# Altium PCB SVEC.pcbdoc (part 12 of 18) (continued)
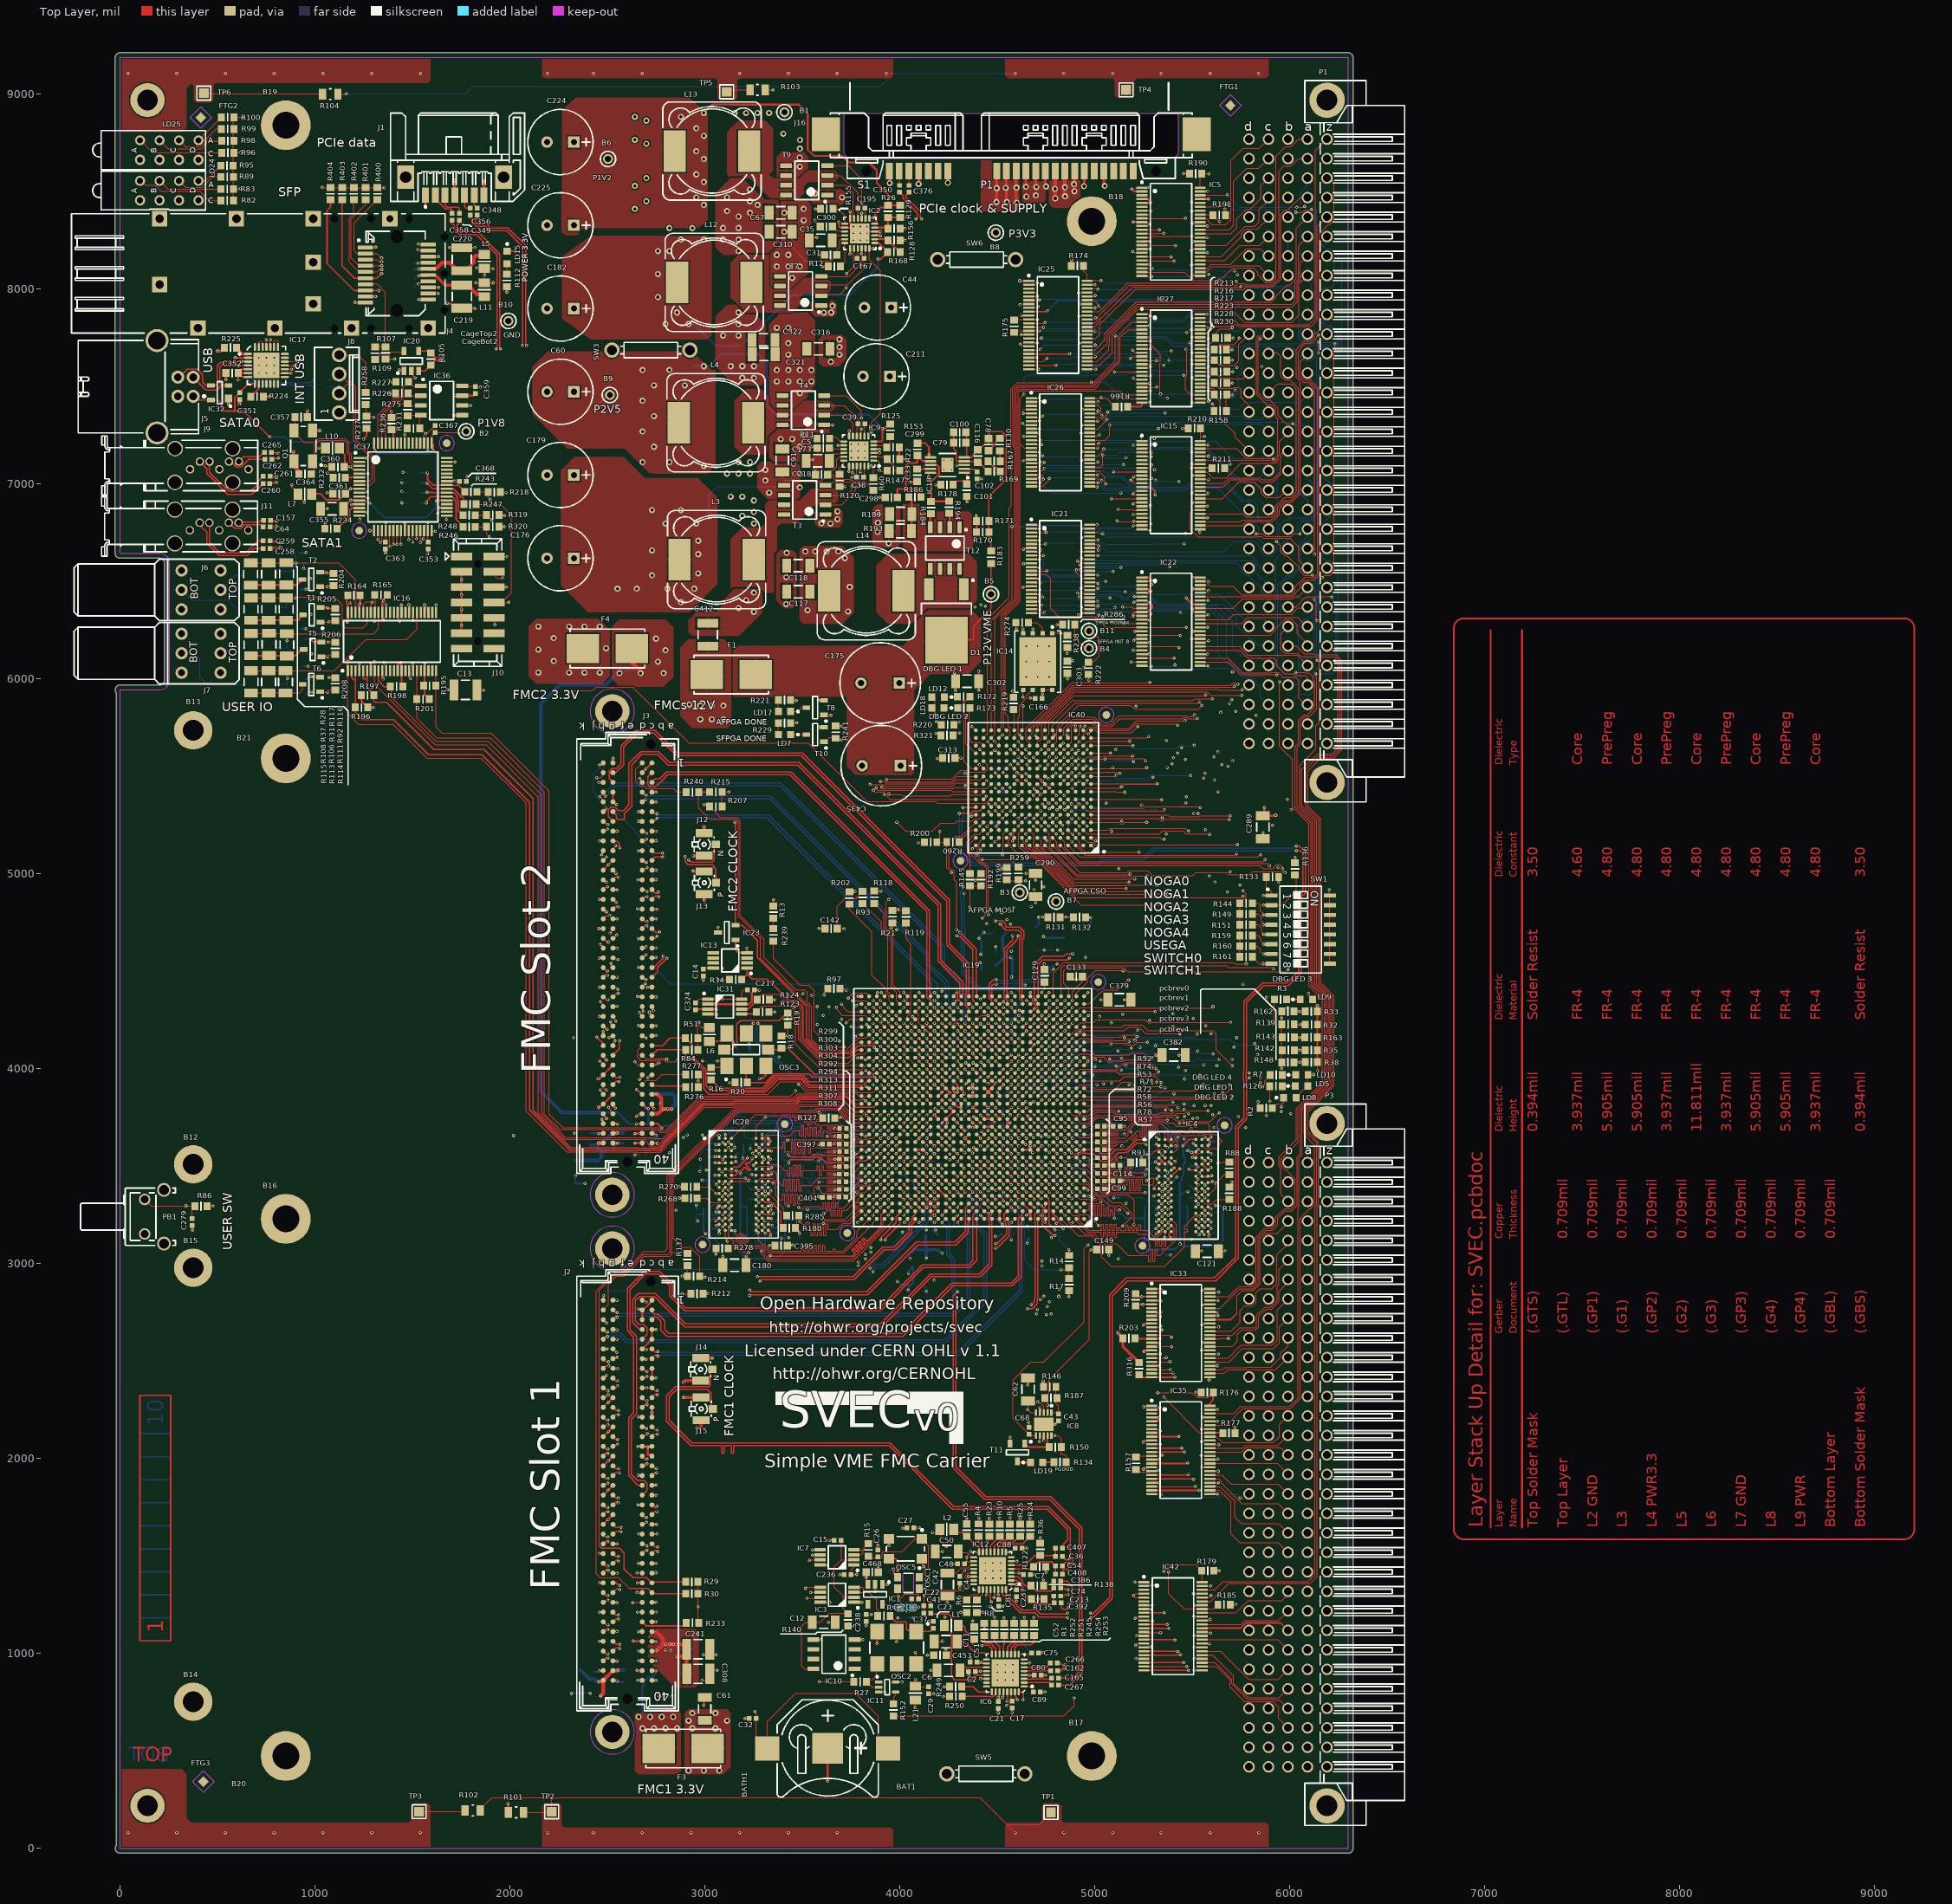
[diagram p0: Top Layer view]
## Nets (pads, with @x,y where several pads share a name; then routed paths per layer and width w, separated by ;. In a path a pad name is that pad's centre, name@x,y a point inside that pad or via, vN(x,y) a via of type N, cw(c..) or ccw(c..) an arc to the next point about the centre after c; other vN are vias at no path point) (continued)
  Top Layer w10: v1(605.69,7535.64) 605.69,7568.14 C352.1@606.18,7568.64 ; IC17.7@656.2,7548.58 626.24,7548.58 C352.1@606.55,7568.27 ; IC17.6@656.2,7568.27 C352.1@606.55,7568.27 ; IC17.5@656.2,7587.96 625.5,7587.96 C352.1@606.18,7568.64 ; C352.1@606.18,7568.64 C352.1@606.55,7568.27
  Top Layer w15: v1(498.69,7680.64) 499.69,7681.64 516.69,7681.64 R225.1@534.69,7699.64 ; C352.1@606.18,7568.64 C352.1@611.55,7569.27 ; R224.2@734.18,7447.64 v1(767.69,7447.64) ; J16.P1@4495.4,8603.66 4495.4,8440.92 v2@4495.69,8440.64 ; J16.P2@4545.4,8603.66 4545.4,8518.88 4545.4,8441.92 v2@4545.69,8441.64 ; v2@4594.69,8440.64 4595.4,8441.36 J16.P3@4595.4,8603.66 ; v1(4856.55,5713.51) 4861.72,5708.34 IC40.R4@4861.72,5696.41 ; v1(5118.55,2645.51) 5143.06,2621 R203.2@5143.06,2616.51 5143.06,2575.45 R316.2@5226.38,2492.13
  L3 w4: v1(4692.55,5711.51) 4693.55,5711.51 v1@4696.55,5708.51
  Bottom Layer w5: D2.2@941.83,6515.1 976.96,6515.1 v1(977.55,6514.51) ; D3.2@944.83,6331.1 975.96,6331.1 v1(977.55,6329.51) ; D4.2@948.83,6128.1 982.15,6128.1 v1(982.55,6128.51) ; D5.2@954.69,5924.64 966.15,5936.1 979.96,5936.1 v1(982.55,5933.51) ; C320.2@1170.84,6368.51 1170.84,6384.79 v1(1177.55,6391.51) ; C314.1@1275.27,6045.51 1284.55,6054.79 v1(1284.55,6079.51) ; v1(1354.55,6083.51) 1355.55,6082.51 C307.1@1355.55,6058.22 ; C306.1@1357.55,6360.22 1357.55,6374.51 v1(1365.55,6382.51) ; v1(1431.55,7586.51) 1451.55,7566.51 C315.2@1454.84,7566.51 ; v1(1433.55,6295.51) C202.2@1433.55,6322.79 ; C297.2@1493.55,6058.22 1493.55,6074.51 v1(1501.55,6082.51) ; C354.1@1568.55,7191.79 1578.55,7181.79 v1(1578.55,7170.51) ; C186.1@1606.27,6344.51 1620.55,6358.79 v1(1620.55,6378.51) ; v1(2629.55,1260.51) 2630.55,1259.51 C431.2@2657.06,1259.51 ; v1(2640.55,4034.51) 2659.82,4034.51 2673.06,4021.27 C76.2@2673.06,4018.51 ; v1@3545.55,4376.51 C380.2@3576.61,4376.51 3606.55,4376.51 v1@3607.55,4377.51 ; v1(3699.55,4253.51) 3702.05,4256 C143.2@3702.05,4282.51 ; C131.2@3791.55,3841.01 3818.05,3841.01 v1(3823.55,3835.51) ; v1(3825.55,4312.32) 3829.69,4308.18 C199.2@3829.69,4284.36 ; C171.2@3835.55,4161.79 3855.27,4161.79 3861.55,4155.51 3860.55,4154.51 v1@3860.55,4147.51 ; v1(4064.43,4267.41) 4070.2,4267.41 C221.2@4084.69,4252.92 ; C190.2@4078.55,3347.22 4079.11,3347.22 4093.82,3332.51 v1@4099.55,3332.51 ; v1@4138.55,3837.51 4155.55,3820.51 C8.2@4157.84,3820.51 ; v1@4296.55,3961.51 4296.55,3959.51 4291.19,3954.14 4305.82,3939.51 C156.2@4311.27,3939.51 ; C311.2@4306.55,5453.01 4335.05,5453.01 v1(4335.55,5452.51) ; C170.2@4389.27,3938.51 4389.27,3941.22 4406.04,3957.99 v1(4412.92,3957.99) ; C222.2@4395.21,3666.65 4407.02,3678.46 v1(4416.86,3678.46) ; v1(4408.96,5243.65) 4420.57,5243.65 4444.42,5267.51 C232.2@4445.84,5267.51 ; v1(4408.96,5637.36) 4429.55,5616.77 C343.2@4429.55,5595.22 ; C312.2@4470.06,5551.51 4470.06,5549.27 4488.55,5530.77 v1(4488.55,5517.51) ; v1(4487.7,5164.91) C330.2@4507.55,5184.79 ; C333.2@4510.55,5671.22 4510.55,5698.51 v1(4525.55,5713.51) ; v1(4526.55,5361.51) C339.2@4526.55,5384.79 ; v1(4614.55,8042.51) 4626.82,8042.51 4636.82,8032.51 C331.1@4637.84,8032.51 ; v1@4616.55,4270.51 4628.84,4270.51 C9.2@4643.55,4255.79 ; v1(4616.55,7918.51) 4619.55,7915.51 C516.2@4640.55,7915.51 ; v1(4618.55,7716.51) C517.1@4642.55,7716.51 ; C158.2@4627.27,3742.51 4648.01,3721.76 v1(4649.14,3721.77) ; v1(4633.55,6664.51) C227.2@4661.55,6664.51 ; v1(4649.14,3524.92) 4651.05,3526.82 4651.05,3527.01 4649.69,3528.37 C189.2@4649.69,3547.92 ; v1(4649.55,5168.51) 4662.55,5181.51 C323.2@4687.84,5181.51 ; v1(4651.55,5558.51) 4665.55,5544.51 C216.2@4665.55,5536.22 ; v1(4652.69,3190.64) 4662.55,3180.77 C155.2@4662.55,3163.22 ; C198.2@4678.27,3858.51 4679.55,3858.51 4688.52,3867.47 v1(4688.51,3879.25) ; C464.1@4685.27,7311.51 4704.55,7311.51 4716.55,7323.51 v1(4716.55,7324.51) ; C154.2@4691.27,6466.51 4706.55,6466.51 v1(4718.55,6454.51) ; C338.1@4694.55,7114.51 4718.55,7114.51 v1(4719.55,7113.51) ; C191.2@4704.27,4095.51 4724.23,4115.47 v1(4727.88,4115.47) ; C208.2@4704.55,5343.79 4721.55,5326.79 v1(4721.55,5322.51) ; C197.2@4708.55,3547.79 4712.54,3547.79 4727.89,3532.44 v1(4727.88,3524.92) ; C345.2@4741.27,5611.51 4741.27,5615.33 v1(4763.3,5637.36) ; C342.2@4775.27,5533.51 4777.55,5533.51 v1(4802.67,5558.62) ; v1(4802.66,5283.02) 4807.36,5283.02 C346.2@4822.84,5298.51 ; C233.2@4844.27,5735.51 4844.27,5733.06 4856.55,5720.77 v1(4856.55,5713.51) ; C340.2@4861.55,5205.79 4861.55,5184.77 v1(4881.41,5164.91) ; v1(4880.55,5358.51) 4882.84,5360.79 C317.2@4882.84,5381.51 ; C172.2@4916.55,4248.22 4916.55,4264.77 v1(4924.74,4272.95) 4930.11,4272.95 4942.05,4261.01 4942.05,4253.51 C145.2@4959.06,4236.51 ; v1(4924.74,3957.99) 4930.59,3952.13 5021.68,3952.13 C130.2@5023.06,3953.51 ; v1(4924.74,4115.47) 4925.77,4116.51 C144.2@4962.06,4116.51 ; C377.2@4949.55,4605.45 4950.55,4604.45 v1(4950.55,4570.51) ; v1(4960.15,5637.36) 4962.28,5635.23 4962.28,5624.78 4967.06,5620 C304.2@4990.55,5620 ; C513.1@4978.55,7720.51 4994.55,7720.51 v1(5002.55,7712.51) ; C329.2@4979.27,7970.51 4997.55,7970.51 v1(5002.55,7965.51) ; C521.1@4982.55,7855.51 4985.55,7852.51 v1(5003.55,7852.51) ; C294.1@4988.27,7114.51 5009.82,7114.51 v1@5016.19,7108.14 ; C522.2@4988.55,7253.51 v1(5021.55,7253.51) ; C501.1@4989.27,6465.51 5005.55,6465.51 5013.55,6457.51 5015.55,6459.51 v1(5015.55,6463.51) ; C226.2@4991.27,6722.51 4993.82,6722.51 5003.82,6712.51 v1(5014.55,6712.51) ; v1(5193.55,7686.51) 5193.55,7683.51 C437.2@5218.55,7683.51 ; v1(5193.55,8193.51) 5197.55,8197.51 C295.2@5222.84,8197.51 ; v1(5194.55,7544.51) C512.2@5212.55,7544.51 ; v1(5199.53,6392.76) 5199.53,6393.64 5206.42,6393.64 5207.55,6392.51 C185.1@5223.84,6392.51 ; v1(5203.55,1366.51) 5212.55,1357.51 C257.2@5230.84,1357.51 ; C327.2@5242.55,8405.79 5279.27,8405.79 v1(5286.55,8398.51) ; C457.2@5246.55,7096.51 v1(5291.55,7096.51) ; C336.1@5250.27,8512.51 5271.55,8512.51 v1(5279.55,8520.51) ; v1(5250.55,2265.51) 5253.55,2262.51 C253.1@5272.84,2262.51 ; C500.2@5254.27,6328.51 5278.55,6328.51 5283.55,6323.51 5286.55,6326.51 v1(5286.55,6333.51) ; C507.1@5254.27,6895.51 5271.55,6895.51 5284.55,6882.51 v1(5284.55,6889.51) ; C328.1@5255.27,8334.51 5256.27,8333.51 v1(5282.55,8333.51) ; C519.1@5256.27,6195.51 5270.55,6195.51 v1(5280.55,6185.51) ; C506.2@5256.27,7036.51 5282.55,7036.51 v1(5290.55,7028.51) v1@5293.82,7025.24 ; C251.2@5267.27,1042.51 5283.55,1042.51 v1(5291.55,1034.51) ; C252.2@5269.27,1178.51 5284.55,1178.51 v1(5295.55,1167.51) ; C287.1@5292.55,2760.79 5328.27,2760.79 v1(5338.55,2750.51) ; C246.2@5307.27,2084.51 5322.55,2084.51 v1(5334.55,2072.51) ; C250.2@5308.27,1944.51 5324.55,1944.51 v1(5329.55,1939.51) ; C248.1@5308.27,2543.51 5327.55,2543.51 v1(5334.55,2536.51) ; C247.1@5309.27,2683.51 5312.27,2680.51 v1(5337.55,2680.51) ; v1(5493.55,7789.51) 5502.55,7798.51 C337.2@5519.84,7798.51 ; v1@5496.55,7548.51 C164.1@5522.84,7548.51 ; v1(5498.55,6952.51) 5522.55,6952.51 5523.55,6951.51 C319.1@5522.55,6951.51 ; v1(5500.55,8073.51) 5504.55,8077.51 C296.1@5523.55,8077.51 ; v1(5509.55,1030.51) 5538.27,1030.51 C127.1@5547.55,1021.22 ; C335.2@5533.55,8501.22 5534.27,8500.51 v1(5578.55,8500.51) ; v1(5538.55,6751.51) 5541.55,6751.51 5542.55,6752.51 C436.1@5542.55,6780.79 ; C293.2@5543.55,6080.79 5565.27,6080.79 v1(5579.55,6066.51) ; v1(5544.55,2016.51) 5544.55,2011.51 5551.55,2004.51 C244.2@5569.84,2004.51 ; C318.2@5552.27,8197.51 5566.55,8197.51 v1(5578.55,8185.51) ; C292.2@5554.27,6194.51 5555.27,6195.51 v1(5582.55,6195.51) ; C240.1@5554.27,6334.51 5574.55,6334.51 v1(5580.55,6328.51) ; C332.2@5555.27,8331.51 5569.55,8331.51 v1(5578.55,8322.51) ; C184.2@5558.27,6513.51 5576.6,6513.51 5581.58,6508.53 v1(5581.55,6496.51) ; C326.1@5565.55,7149.51 5565.55,7145.77 5568.82,7142.51 v1@5578.55,7142.51 ; C465.2@5568.27,1099.51 5587.55,1099.51 v1(5592.55,1104.51) ; C520.2@5568.27,1180.51 5574.27,1174.51 v1(5591.55,1174.51) ; C125.1@5569.27,1297.51 v1(5595.55,1297.51) ; C249.1@5584.55,2431.79 5584.55,2403.51 v1(5585.55,2402.51) ; C245.2@5590.55,2249.22 5591.84,2250.51 v1(5628.55,2250.51) ; C132.1@5593.55,1829.79 5616.27,1829.79 v1(5628.55,1817.51) ; C447.1@5606.27,2082.51 5628.55,2082.51 5634.55,2076.51 v1(5634.55,2071.51) ; C153.1@5607.27,2546.51 5621.55,2546.51 v1(5632.55,2535.51) ; C254.2@5607.27,2685.51 5623.55,2685.51 v1(5634.55,2674.51) ; C264.1@5609.27,2861.51 5627.55,2861.51 5635.55,2853.51 v1(5635.55,2852.51)
  other v1: 5550.69,2789.64 4097.96,3328.07 4649.14,3328.07 4137.33,3603.66 4683.69,3646.64 4137.33,3721.77 4922.69,3773.64 4137.33,3839.88 4806.62,3839.88 4767.25,3879.25 3940.48,3957.99 4294.81,3957.99 4019.22,4076.1 3861.74,4154.84 4609.77,4272.95 3543.69,4374.64 3610.69,4378.64 3468.69,5888.64 1864.69,5942.64 4805.69,6277.64 1361.69,6801.64 1577.69,6801.64 944.69,6906.64 1979.69,6955.64 5581.69,7142.64 1384.69,7466.64
  other v2: 2915.75,399.02 2994.49,399.02 3073.23,399.02 2935.44,615.55 3053.55,615.55 2915.75,654.92 3112.6,654.92 2935.44,694.29 3053.55,694.29 2145.44,6031.88 2302.92,6031.88 2381.66,6031.88 2460.4,6031.88 2224.18,6090.94 2145.44,6149.99 2492.52,6156.89 2224.18,6209.05 2145.44,6268.1 2302.92,6268.1 2381.66,6268.1 2460.4,6268.1 4599.15,8442.88 4495.15,8445.88 4548.15,8445.88 4496.15,8516.88 4543.15,8518.88 4597.87,8519.88
P3V3_CLEAN: C2.2 C3.2 C4.2 C7.2 C10.2 C17.2 C19.2 C21.2 C29.2 C75.2 C80.1 C81.2 C88.1 C89.2 C236.1 C237.2 C238.1 C453.2 C468.2 IC1.1 IC1.3 IC3.1 IC6.1 IC6.4 IC6.9 IC6.20 IC6.27 IC6.30 IC7.1 IC12.1 IC12.4 IC12.9 IC12.20 IC12.27 IC12.30 L1.2 L2.2 L21.1 OSC2.2 OSC2.6 R140.2 | length 1520.5
  Top Layer w4.75: IC7.1@3763.17,1454.62 3763.17,1441.12 3749.27,1427.22 C236.1@3749.27,1404 3750.77,1405.51 v1(3777.55,1405.51) ; C468.2@3826.06,1417 3826.06,1389 v1(3826.55,1388.51) 3835.15,1379.91 IC1.3@3835.15,1354.18 ; IC1.1@3909.96,1354.18 3935.23,1354.18 v1(3935.55,1354.51) ; v1@4550.69,732.64 4550.69,733.64 4572.27,755.22 C17.2@4574.55,755.22 4570.08,759.69 IC6.30@4570.08,803.05
  Top Layer w5: R140.2@3733.55,1140.51 3766.55,1140.51 v1(3767.55,1141.51) ; IC3.1@3764.17,1262.62 3803.44,1262.62 v1(3803.55,1262.51) ; C238.1@3827.55,1200.72 3853.34,1200.72 v1(3853.55,1200.51) ; v1(3982.55,1059.51) 3983.55,1060.51 OSC2.2@3983.55,1112.68 ; v1(3988.55,1182.51) v1@3989.05,1183 ; v1(4077.55,1005.51) 4083.55,999.51 OSC2.6@4083.55,947.32 ; v1(4079.55,867.51) 4078.55,866.51 L21.1@4078.55,832.44 4082.27,828.72 C29.2@4146.55,828.72 ; v1(4140.05,991) C453.2@4174.06,991 ; v1@4171.55,1620.51 4172.06,1620 4202.12,1620 4210.55,1611.57 4210.55,1573.51 4234.55,1549.51 v1(4237.55,1549.51) ; L1.2@4228.12,1143 4228.12,1184.07 v1(4230.55,1186.51) ; C4.2@4307.55,1396.22 4307.55,1398.55 v1@4331.55,1422.55 ; v1(4330.55,1423.51) 4331.55,1424.51 4333.51,1424.51 4339.3,1430.3 4354.3,1430.3 4357.84,1433.84 IC12.20@4378.1,1433.84 ; C2.2@4387.27,907.51 4411.71,907.51 v1(4413.55,909.35) IC6.20@4444.1,909.35 ; v1(4445.03,1299.51) IC12.27@4445.03,1327.55 ; v1(4503.55,774.51) 4505.55,776.51 v1@4511.03,776.51 ; IC12.30@4504.08,1327.55 v1(4504.08,1299.51) 4504.08,1280.19 C81.2@4507.55,1276.72 ; IC6.27@4511.03,803.05 v1@4511.03,776.51 ; C21.2@4511.55,758.22 4511.03,758.75 v1@4511.03,776.51 ; IC12.9@4543.45,1520.46 v1(4562.55,1520.46) 4571.79,1520.46 C88.1@4590.84,1539.51 ; IC12.4@4571.01,1414.16 v1(4611.55,1414.16) 4625.18,1414.16 C7.2@4633.84,1405.51 ; v1(4597.55,1354.51) 4596.96,1355.1 IC12.1@4571.01,1355.1 4571.01,1337.05 4582.34,1325.72 C237.2@4598.55,1325.72 ; IC6.9@4609.45,995.96 v1(4639.55,995.96) 4663.01,995.96 C75.2@4671.05,1004 ; IC6.1@4637.01,830.61 4678.45,830.61 v1(4680.55,828.51) 4684.84,824.22 C89.2@4684.84,802.51 ; IC6.4@4637.01,889.66 v1(4665.55,889.66) 4688.68,889.66 C80.1@4688.84,889.51
  Bottom Layer w4.75: v1(3935.55,1354.51) 3940,1358.95 C3.2@3940,1382.28 ; v1(3988.55,1182.51) 3989.05,1183 C19.2@4010.84,1183 ; C10.2@4442,1276.72 4442,1296.48 v1(4445.03,1299.51)
  other v1: 4546.69,732.64 4167.69,1620.64
P3V3_FMC1: C56.2 C65.2 C70.2 C239.2 F3.2 J2.c39 J2.d36 J2.d38 J2.d40 | length 455.3
  Top Layer w10: v1(2630.55,1064.51) 2632.8,1062.26 J2.d36@2678.05,1062.26 ; v1(2656.55,862.51) 2656.8,862.26 J2.d40@2678.05,862.26 ; v1(2657.55,961.51) 2658.3,962.26 J2.d38@2678.05,962.26 ; J2.c39@2728.05,912.26 2728.8,911.51 v1(2748.55,911.51)
  Bottom Layer w10: v1(2630.55,1064.51) 2631.55,1063.51 C70.2@2658.06,1063.51 ; v1(2657.55,961.51) 2679.06,961.51 C65.2@2685.55,968 ; v2(2659.85,674.61) 2678.5,693.26 C56.2@2678.5,780.51 2678.5,829.45 2687.84,838.79 C239.2@2687.84,855.51 2687.84,857.21 2707.34,876.71 2726.76,876.71 2748.55,898.51 v1(2748.55,911.51)
  other v2: 2679.53,615.55 2738.59,615.55 2797.64,615.55 2856.7,615.55 2718.9,674.61 2777.96,674.61 2837.01,674.61
P3V3_FMC2: C63.2 C69.2 C73.2 C255.2 F4.2 J3.c39 J3.d36 J3.d38 J3.d40 | length 3907.6
  Top Layer w10: v1(2640.16,3617.52) 2641.14,3618.51 J3.d40@2678.05,3618.51 ; v1(2650,3715.95) 2652.56,3718.51 J3.d38@2678.05,3718.51 ; J3.d36@2678.05,3818.51 2701.87,3794.69 v1(2709.06,3794.69) ; J3.c39@2728.05,3668.51 2729.84,3666.72 2738.57,3666.72 v1(2748.42,3656.88)
  Top Layer w20: F4.2@2625.05,6155.51 2625.05,6083.42 2659.85,6048.62
  Bottom Layer w10: 2462.99,3775 2551.58,3775 2610.63,3715.95 v1(2650,3715.95) 2709.06,3715.95 ; v1(2640.16,3617.52) 2667.72,3617.52 C69.2@2669.69,3615.55 ; C73.2@2679.55,3823 2680.74,3823 v1(2709.06,3794.69) 2709.06,3715.95 ; C255.2@2697.25,3558.47 2697.25,3587.99 C69.2@2669.69,3615.55 ; C63.2@2807.48,3647.05 2797.64,3637.21 2758.27,3637.21 ; C69.2@2669.69,3615.55 2691.34,3637.21 2758.27,3637.21 ; 2709.06,3715.95 2748.42,3676.59 v1(2748.42,3656.88) 2758.27,3647.02 2758.27,3637.21
  Bottom Layer w20: 2462.99,3775 2266.14,3775 2157.88,3883.27 2157.88,5871.46 2256.3,5969.88 2492.52,5969.88 2571.26,6048.62 2659.85,6048.62
  other v2: 2561.42,6028.94 2669.69,6028.94 2787.8,6028.94 2758.27,6087.99 2797.64,6147.05 2748.43,6206.1
P5V_STDBY_VME: P1.b31
P5V_VME: B1.1 C31.2 C44.1 C67.2 C71.2 C91.2 C117.2 C118.2 C211.1 C218.2 C309.2 C310.2 C316.2 C321.2 C322.2 IC2.17 IC9.17 IC18.10 J16.P7 J16.P8 J16.P9 L14.1 P1.a32 P1.b32 P1.c32 P3.b1 P3.b13 P3.b32 R60.2 R178.2 T3.5 T3.6 T4.5 T4.6 T7.5 T7.6 T9.5 T9.6 | length 1567.3
  Top Layer w5: C91.2@3396.55,7061.45 3396.55,7032.51 3410.55,7018.51 3445.55,7018.51 3450.55,7013.51 3595.05,7013.51 C218.2@3629.05,7047.51 ; C310.2@3449.55,8272.51 3448.55,8272.51 3447.55,8273.51 3447.55,8213.67 3516.72,8144.51 3645.49,8144.51 C31.2@3675.59,8174.61 3675.59,8199.55 3690.55,8214.51 3690.55,8248.51 3697.4,8255.35 IC2.17@3717.15,8255.35 ; IC9.17@3711.78,7138.98 3691.03,7138.98 3675.55,7123.51 3675.55,7089.19 3656.85,7070.48 3647.53,7070.48 3629.05,7052 C218.2@3629.05,7047.51 ; R60.2@3863.55,6968.01 3818.06,7013.51 3764.09,7013.51 3757.46,7020.13 3748.19,7020.13 3744.53,7023.79 3667.76,7023.79 3660.69,7030.86 3660.69,7041.64 3654.82,7047.51 C218.2@3629.05,7047.51 ; v1(4147.55,7037.51) 4149.1,7039.05 IC18.10@4149.1,7056.14 ; v1(4183.55,6995.51) R178.2@4210.06,6995.51
  Top Layer w20: v2@4795.4,8460.64 J16.P7@4795.4,8603.66 ; v2@4845.4,8474.64 J16.P8@4845.4,8603.66 ; v2@4895.4,8495.64 J16.P9@4895.4,8603.66
  other v2: 3733.95,6345.51 3525.99,6352.51 3742.52,6471.51 3717.55,6619.49 3514.55,6653.24 3565.36,6653.51 3624.41,6653.51 3683.47,6653.51 3329.14,6954.14 3486.62,6982.51 3309.55,7017.51 3486.62,7052.56 3309.45,7072.25 3486.62,7465.95 3368.51,7525 3427.56,7525 3486.62,7525 3545.67,7525 3368.51,7584.06 3427.56,7584.06 3486.62,7584.06 3545.67,7584.06 3427.56,7662.8 3427.56,7721.85 3368.51,7800.59 3427.56,7800.59 3447.25,8056.5 3368.51,8115.55 3427.56,8115.55 3486.62,8115.55 3368.51,8174.61 3427.56,8174.61 3407.88,8292.72 3506.3,8351.77 3407.88,8391.14 3506.3,8410.83 4796.69,8464.64 4846.69,8475.64 4894.69,8500.64 4794.69,8513.64 4845.69,8521.64 4892.69,8537.64 3486.62,8627.36 3485.69,8673.64 3486.69,8719.64 3487.69,8764.64 3401.69,8796.64
P12V: B5.1 C175.1 C435.1 D1.3 F1.1 R183.2 | length 567.6
  Top Layer w6: D1.3@4238.55,6198.08 4242.11,6201.64 4376.69,6201.64 4378.69,6203.64 4378.69,6270.64 4466.55,6358.51 B5.1@4466.55,6433.51 4467.55,6434.51 R183.2@4467.55,6592.01
P12V_FMC: C241.1 C256.2 C263.2 C301.1 C308.1 C412.1 F1.2 J2.c35 J2.c37 J3.c35 J3.c37 | length 963.1
  Top Layer w10: J2.c37@2728.05,1012.26 2746.3,1012.26 v1(2748.55,1014.51) 2749.55,1015.51 v1@2753.55,1015.51
  Top Layer w20: J2.c35@2728.05,1112.26 2748.8,1112.26 2785.55,1075.51 2785.55,1047.51 ; J3.c37@2728.05,3768.51 2758.55,3768.51 2775.55,3785.51 ; J3.c35@2728.05,3868.51 2755.82,3868.51 2775.55,3848.77 2775.55,3785.51 ; v1@2753.55,1015.51 2785.55,1047.51 ; 2775.69,3785.64 2775.55,3785.51 ; v1(2828.69,3793.64) 2784.69,3793.64 2775.55,3784.51 2775.55,3785.51 ; v1(2857.81,985.55) 2883.59,985.55 C241.1@2906.5,1008.45 ; C308.1@2904.69,890.51 2904.69,962.02 2906.5,963.83 C241.1@2906.5,1008.45 ; 2785.55,1047.51 v1(2798.69,1047.51) 2880.5,1047.51 C241.1@2906.5,1021.51 C241.1@2906.5,1008.45
  Bottom Layer w10: C256.2@2718.27,1014.51 v1(2748.55,1014.51)
  Bottom Layer w20: C263.2@2717.27,3871.51 2831.82,3871.51 2847.55,3855.77 C301.1@2847.55,3826.56 2847.55,3812.51 v1(2828.69,3793.64)
  other v1: 2821.55,1015.07 2798.75,1018.51 2819.55,1046.51 2838.69,1046.51 2786.69,3793.64 2807.69,3793.64 2772,3819 2751.55,3871
  other v2: 2975.92,5792.51 3034.97,5792.51 3094.03,5792.51 2975.92,5862.51 3034.97,5862.51 3094.03,5862.51 2919.55,5867.44
P12V_VME: P1.c31
PCBREV0: IC19.AD20 R33.2 R162.1 | length 2455.5
  Top Layer w6: v1@4176.96,4153.91 4195.72,4135.15 IC19.AD20@4196.39,4135.15 v1@4177.29,4154.25
  Top Layer w8: R162.1@6021.05,4293.51 v1(6049.55,4293.51) R33.2@6078.06,4293.51
  L3 w4: v1@4174.55,4157.51 4171.55,4154.51 v1@4177.55,4154.51
  L6 w4: v1(4176.7,4154.84) 4159.21,4172.33 4159.21,4263.1 4159.55,4263.45 4159.55,4420.58 4234.35,4495.38 5133.06,4495.38 5139.81,4488.63 5151.3,4488.63 5159.17,4496.51 5931.55,4496.51 6049.55,4378.51 v1(6049.55,4293.51)
PCBREV1: IC19.AE20 R32.2 R139.1 | length 2390.9
  Top Layer w6: v1@4182.55,4194.51 4182.55,4188.36 IC19.AE20@4196.39,4174.52
  Top Layer w8: R139.1@6022.05,4227.51 6023.05,4226.51 v1(6052.55,4226.51) R32.2@6079.06,4226.51
  L6 w4: v1(4176.7,4194.21) 4192.69,4210.19 4192.69,4409.64 4270.43,4487.38 5100.37,4487.38 5107.11,4480.63 5154.61,4480.63 5162.49,4488.51 5925.55,4488.51 6033.55,4380.51 6033.55,4245.51 v1(6052.55,4226.51)
PCBREV2: IC19.AD18 R143.1 R163.2 | length 2404.2
  Top Layer w4: v1(4255.44,4154.84) IC19.AD18@4275.13,4135.15
  Top Layer w8: R143.1@6024.05,4160.51 v1(6050.55,4160.51) R163.2@6077.06,4160.51
  L6 w4: v1(4255.44,4154.84) 4269.32,4168.71 4269.32,4218.23 4267.83,4219.72 4267.83,4226.34 4269.32,4227.83 4269.32,4318.06 4262.69,4324.69 4262.69,4385.26 4297.07,4419.64 4486.8,4419.64 4542.3,4419.63 4602.05,4479.38 5097.05,4479.38 5103.8,4472.63 5157.93,4472.63 5165.8,4480.51 5919.55,4480.51 6023.55,4376.51 6023.55,4175.51 6038.55,4160.51 v1(6050.55,4160.51)
PCBREV3: IC19.AE17 R35.2 R142.1 | length 2362.4
  Top Layer w6: v1@4302.55,4194.51 4302.55,4186.47 IC19.AE17@4314.5,4174.52
  Top Layer w8: R142.1@6024.05,4094.51 v1(6050.55,4094.51) R35.2@6078.06,4094.51
  L3 w4: v1(4294.81,4194.21) v1@4298.83,4198.23
  L6 w4: v1(4294.81,4194.21) 4280.81,4208.21 4280.81,4278.63 4314.5,4312.32 4314.5,4381.21 4344.92,4411.63 4545.61,4411.63 4605.36,4471.38 5093.74,4471.38 5100.49,4464.63 5161.24,4464.63 5167.99,4471.38 5905.68,4471.38 6013.55,4363.51 6013.55,4131.51 v1(6050.55,4094.51)
PCBREV4: IC19.AF17 R38.2 R148.1 | length 2310.8
  Top Layer w6: v1@4294.55,4228.51 4295.55,4228.51 4294.55,4229.51 4296.55,4229.51 4312.17,4213.89 IC19.AF17@4314.5,4213.89
  Top Layer w8: R148.1@6021.05,4032.51 6022.05,4033.51 v1(6051.55,4033.51) R38.2@6078.06,4033.51
  L3 w4: v1@4294.55,4228.51 4295.55,4228.51 v1@4295.05,4229.01 ; v1@4294.55,4229.51 v1@4296.55,4229.51
  L6 w4: v1@4294.81,4233.58 4294.81,4272.95 4334.18,4312.32 4334.18,4351.69 4363.71,4381.21 4432.61,4381.21 4455.03,4403.63 4548.93,4403.63 4588.8,4443.51 5164.93,4443.51 5166.81,4441.63 5710.81,4441.63 5716.55,4447.38 5904.68,4447.38 6002.43,4349.63 6002.43,4082.63 v1(6051.55,4033.51)
  other v1: 4294.69,4227.64
PCIE_MASTER_CLK_N: C376.2 IC19.C14 | length 9094.6
  Top Layer w6: C376.2@4046.69,8495.92 4029.19,8478.42 4029.19,8470.64 4103.69,8396.14 4103.69,8365.64 4109.69,8359.64 v1(4110.69,8359.64) ; IC19.C14@4432.61,3308.38 4452.35,3288.64 v1(4452.69,3288.64)
  L6 w4: v1(3851.69,3082.38) 3857.56,3076.51 4204.79,3076.51 4224.58,3076.51 ; 4224.58,3076.51 4328.55,3076.51 4467.79,3215.74 4467.79,3273.54 v1(4452.69,3288.64)
  L8 w4: 3321.68,3135.76 3329.81,3127.63 ; 3321.68,3135.79 3320.83,3136.64 3127.18,3136.64 3124.44,3139.38 3104.67,3139.38 3101.93,3136.64 2976.69,3136.64 2930.69,3182.64 2930.69,3246.98 2716.69,3460.98 2716.69,3752.61 2616.66,3852.64 2378.55,3852.64 2307.69,3923.51 2307.69,5769.64 2264.17,5813.15 2264.17,6021.15 2265.69,6022.67 2265.69,6025.5 2266.2,6026.01 2266.2,7654.15 2593.69,7981.64 3552.69,7981.64 3604.69,8033.64 4021.66,8033.64 4102.69,8114.67 4102.69,8351.64 v1(4110.69,8359.64) ; 3329.84,3127.63 3340.09,3117.38 3341.44,3117.38 3382.32,3076.51 3845.81,3076.51 v1(3851.69,3082.38)
PCIE_MASTER_CLK_P: C350.2 IC19.D14 | length 9171.9
  Top Layer w6: C350.2@3997.69,8495.92 4015.19,8478.42 4015.19,8464.84 4089.69,8390.34 4089.69,8365.64 4083.69,8359.64 v1(4082.69,8359.64) ; IC19.D14@4432.61,3347.75 v1@4451.69,3328.67
  L6 w4: v1(3851.69,3060.63) 3857.56,3066.51 4208.93,3066.51 4220.43,3066.51 4332.7,3066.51 4477.79,3211.6 4477.79,3302.54 v1@4451.69,3328.64
  L8 w4: 3325.67,3117.63 3316.66,3126.64 3123.04,3126.64 3120.3,3129.38 3108.81,3129.38 3106.07,3126.64 2969.72,3126.64 2918.69,3177.67 2918.69,3242.01 2704.69,3456.01 2704.69,3747.64 2611.69,3840.64 2373.58,3840.64 2295.69,3918.54 2295.69,5764.67 2255.69,5804.67 2255.69,5807.5 2254.17,5809.01 2254.17,6025.3 2255.69,6026.81 2255.69,6029.64 2256.2,6030.15 2256.2,7661.13 2588.72,7993.64 3547.72,7993.64 3599.72,8045.64 4016.69,8045.64 4090.69,8119.64 4090.69,8351.64 v1(4082.69,8359.64) ; 3325.7,3117.63 3335.95,3107.38 3337.3,3107.38 3378.17,3066.51 3845.81,3066.51 v1(3851.69,3060.63)
  other v1: 4451.69,3324.64
PCIE_RX1_N: C349.2 IC19.C12 | length 8129.2
  Top Layer w6: C349.2@1739.69,8352.92 1739.69,8337.51 1728.19,8326.01 1728.19,8313.64 1748.19,8293.64 1832.73,8293.64 1946.69,8179.68 1946.69,8064.64 1947.69,8063.64 1947.69,7696.64 v1(1951.69,7692.64) ; IC19.C12@4514.95,3308.38 v1(4530.69,3292.64)
  L6 w4: v1(3787.69,3009.51) 3793.56,3003.64 3976.83,3003.64 4006.83,2973.64 4466.69,2973.64 4545.69,3052.64 4545.69,3273.78 4528.76,3290.71 v1(4530.69,3292.64)
  L8 w4: v1(1951.69,7692.64) 1946.25,7687.2 1946.25,7678.64 1996.69,7628.2 1996.69,7001.64 2027.69,6970.64 2027.69,5718.64 2109.69,5636.64 2109.69,3331.64 2228.69,3212.64 2701.69,3212.64 2909.69,3004.64 3782.81,3004.64 v1(3787.69,3009.51)
PCIE_RX1_P: C358.2 IC19.D12 | length 8204.1
  Top Layer w6: C358.2@1702.69,8352.92 1702.69,8337.51 1714.19,8326.01 1714.19,8307.84 1742.39,8279.64 1826.93,8279.64 1932.69,8173.88 1932.69,7696.51 v1(1928.81,7692.64) ; IC19.D12@4511.35,3347.75 4530.69,3328.41 v1@4530.69,3327.64
  L6 w4: v1(3787.69,2987.77) 3793.56,2993.64 3972.69,2993.64 4002.69,2963.64 4470.83,2963.64 4555.69,3048.5 4555.69,3238.78 4555.69,3277.92 4551.5,3282.11 4551.5,3302.74 4531.61,3322.64 v1(4530.69,3322.64)
  L8 w4: v1(1928.81,7692.64) 1934.25,7687.2 1934.25,7678.64 1936.25,7676.64 1936.25,7674.5 1984.69,7626.06 1984.69,6996.67 2015.69,6965.67 2015.69,5713.67 2097.69,5631.67 2097.69,3326.67 2220.2,3204.15 2223.03,3204.15 2224.55,3202.64 2694.72,3202.64 2904.72,2992.64 3782.81,2992.64 v1(3787.69,2987.77)
PCIE_TX1_N: C356.2 IC19.A11 | length 7822.2
  Top Layer w6: C356.2@1795.69,8379.92 1795.69,8364.51 1806.19,8354.01 1806.19,8341.84 1827.39,8320.64 1873.69,8320.64 1890.69,8303.64 1894.79,8299.54 1982.99,8299.54 2065.69,8216.84 2065.69,7713.51 v1(2061.81,7709.64) ; v1(4491.69,3080.64) 4497.69,3080.64 4559.69,3142.64 4559.69,3199.64 4555.53,3203.79 4555.53,3224.83 IC19.A11@4550.72,3229.64
  L6 w4: v1(3821.69,3024.77) 3827.56,3030.64 3996.69,3030.64 4028.69,2998.64 4352.83,2998.64 4434.83,3080.64 v1(4491.69,3080.64)
  L8 w4: v1(2061.81,7709.64) 2067.25,7704.2 2067.25,5802.64 2069.25,5800.64 2069.25,5798.5 2186.55,5681.19 2186.55,3616.8 2317.72,3485.64 2571.69,3485.64 2648.07,3409.26 2648.07,3365.26 2884.2,3129.13 2886.2,3129.13 ; 2882.69,3132.64 2886.2,3129.13 ; v1(3821.69,3024.77) 3815.81,3030.64 3367.69,3030.64 3337.69,3060.64 3318.55,3060.64 3295.05,3084.14 2931.19,3084.14 2886.2,3129.13